# KiCad board JL-rev1.kicad_pcb (continued)
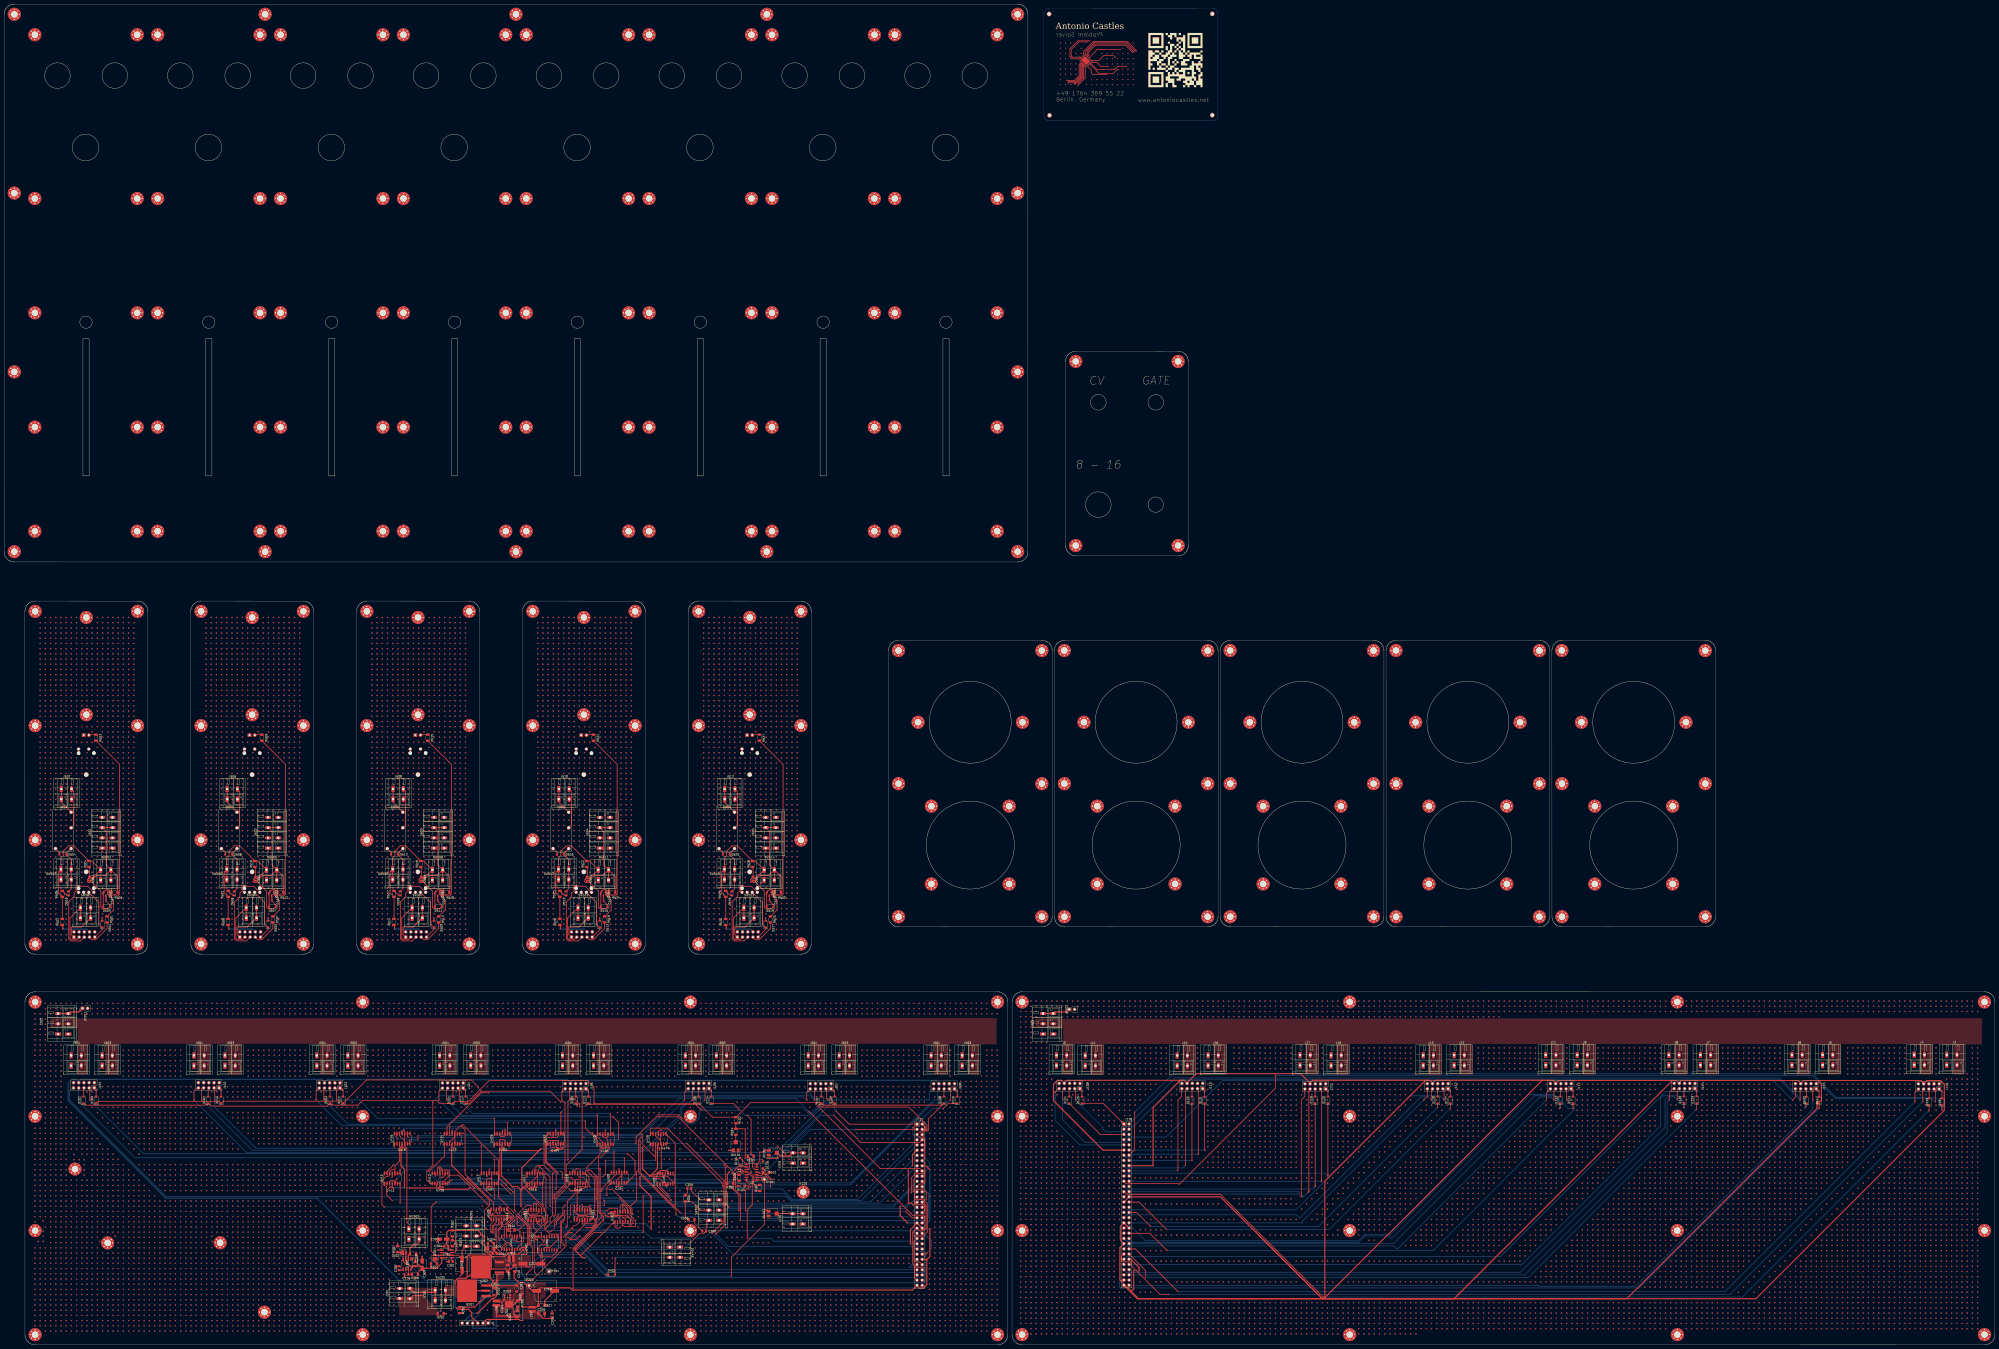
[diagram p0: board, top side]
## Routing (per net, layer and track width the routed paths; a pad name or vN(x,y) marks a point on that pad's centre or on a via; arc(x,y) is an arc through that point) (continued)
v2(78.59,47.44) v2(78.59,44.9) v2(78.59,42.36) v2(78.59,39.82) v2(78.59,37.28) v2(78.59,34.74) v2(78.59,32.2) v2(78.59,29.66) v2(78.59,27.12) v2(78.59,24.58) v2(78.59,22.04) v2(78.59,19.5) v2(78.59,16.96) v2(78.59,14.42) v2(78.59,11.88) v2(78.59,9.34) v2(78.59,6.8) v2(81.13,166.82) v2(81.13,164.28) v2(81.13,161.74) v2(81.13,143.96) v2(81.13,141.42) v2(81.13,138.88) v2(81.13,136.34) v2(81.13,133.8) v2(81.13,131.26) v2(81.13,126.18) v2(81.13,123.64) v2(81.13,121.1) v2(81.13,116.02) v2(81.13,113.48) v2(81.13,110.94) v2(81.13,108.4) v2(81.13,105.86) v2(81.13,103.32) v2(81.13,100.78) v2(81.13,98.24) v2(81.13,95.7) v2(81.13,88.08) v2(81.13,85.54) v2(81.13,83) v2(81.13,80.46) v2(81.13,77.92) v2(81.13,75.38) v2(81.13,70.3) v2(81.13,67.76) v2(81.13,65.22) v2(81.13,62.68) v2(81.13,60.14) v2(81.13,57.6) v2(81.13,55.06) v2(81.13,52.52) v2(81.13,49.98) v2(81.13,47.44) v2(81.13,44.9) v2(81.13,42.36) v2(81.13,39.82) v2(81.13,37.28) v2(81.13,34.74) v2(81.13,32.2) v2(81.13,29.66) v2(81.13,27.12) v2(81.13,24.58) v2(81.13,22.04) v2(81.13,19.5) v2(81.13,16.96) v2(81.13,14.42) v2(81.13,11.88) v2(81.13,9.34) v2(81.13,6.8) v2(83.67,166.82) v2(83.67,164.28) v2(83.67,161.74) v2(83.67,143.96) v2(83.67,141.42) v2(83.67,138.88) v2(83.67,136.34) v2(83.67,133.8) v2(83.67,131.26) v2(83.67,126.18) v2(83.67,123.64) v2(83.67,121.1) v2(83.67,116.02) v2(83.67,113.48) v2(83.67,110.94) v2(83.67,108.4) v2(83.67,105.86) v2(83.67,103.32) v2(83.67,100.78) v2(83.67,98.24) v2(83.67,95.7) v2(83.67,88.08) v2(83.67,85.54) v2(83.67,83) v2(83.67,80.46) v2(83.67,77.92) v2(83.67,75.38) v2(83.67,70.3) v2(83.67,67.76) v2(83.67,65.22) v2(83.67,62.68) v2(83.67,60.14) v2(83.67,57.6) v2(83.67,55.06) v2(83.67,52.52) v2(83.67,49.98) v2(83.67,47.44) v2(83.67,44.9) v2(83.67,42.36) v2(83.67,39.82) v2(83.67,37.28) v2(83.67,34.74) v2(83.67,32.2) v2(83.67,29.66) v2(83.67,27.12) v2(83.67,24.58) v2(83.67,22.04) v2(83.67,19.5) v2(83.67,16.96) v2(83.67,14.42) v2(83.67,11.88) v2(83.67,9.34) v2(83.67,6.8) v2(86.21,166.82) v2(86.21,164.28) v2(86.21,161.74) v2(86.21,143.96) v2(86.21,141.42) v2(86.21,138.88) v2(86.21,136.34) v2(86.21,133.8) v2(86.21,131.26) v2(86.21,126.18) v2(86.21,123.64) v2(86.21,121.1) v2(86.21,116.02) v2(86.21,113.48) v2(86.21,110.94) v2(86.21,108.4) v2(86.21,105.86) v2(86.21,103.32) v2(86.21,100.78) v2(86.21,98.24) v2(86.21,95.7) v2(86.21,88.08) v2(86.21,85.54) v2(86.21,83) v2(86.21,80.46) v2(86.21,77.92) v2(86.21,75.38) v2(86.21,70.3) v2(86.21,67.76) v2(86.21,65.22) v2(86.21,62.68) v2(86.21,60.14) v2(86.21,57.6) v2(86.21,55.06) v2(86.21,52.52) v2(86.21,49.98) v2(86.21,47.44) v2(86.21,44.9) v2(86.21,42.36) v2(86.21,39.82) v2(86.21,37.28) v2(86.21,34.74) v2(86.21,32.2) v2(86.21,29.66) v2(86.21,27.12) v2(86.21,24.58) v2(86.21,22.04) v2(86.21,19.5) v2(86.21,16.96) v2(86.21,14.42) v2(86.21,11.88) v2(86.21,9.34) v2(86.21,6.8) v2(88.75,166.82) v2(88.75,164.28) v2(88.75,161.74) v2(88.75,126.18) v2(88.75,123.64) v2(88.75,121.1) v2(88.75,116.02) v2(88.75,113.48) v2(88.75,110.94) v2(88.75,108.4) v2(88.75,105.86) v2(88.75,103.32) v2(88.75,100.78) v2(88.75,98.24) v2(88.75,95.7) v2(88.75,88.08) v2(88.75,85.54) v2(88.75,83) v2(88.75,80.46) v2(88.75,77.92) v2(88.75,75.38) v2(88.75,70.3) v2(88.75,67.76) v2(88.75,65.22) v2(88.75,62.68) v2(88.75,60.14) v2(88.75,57.6) v2(88.75,55.06) v2(88.75,52.52) v2(88.75,49.98) v2(88.75,47.44) v2(88.75,44.9) v2(88.75,42.36) v2(88.75,39.82) v2(88.75,37.28) v2(88.75,34.74) v2(88.75,32.2) v2(88.75,29.66) v2(88.75,27.12) v2(88.75,24.58) v2(88.75,22.04) v2(88.75,19.5) v2(88.75,16.96) v2(88.75,14.42) v2(88.75,11.88) v2(88.75,9.34) v2(88.75,6.8) v2(91.29,166.82) v2(91.29,164.28) v2(91.29,161.74) v2(91.29,126.18) v2(91.29,123.64) v2(91.29,116.02) v2(91.29,113.48) v2(91.29,110.94) v2(91.29,108.4) v2(91.29,105.86) v2(91.29,103.32) v2(91.29,100.78) v2(91.29,98.24) v2(91.29,95.7) v2(91.29,88.08) v2(91.29,85.54) v2(91.29,83) v2(91.29,80.46) v2(91.29,77.92) v2(91.29,75.38) v2(91.29,70.3) v2(91.29,67.76) v2(91.29,65.22) v2(91.29,62.68) v2(91.29,60.14) v2(91.29,57.6) v2(91.29,55.06) v2(91.29,52.52) v2(91.29,49.98) v2(91.29,47.44) v2(91.29,44.9) v2(91.29,42.36) v2(91.29,39.82) v2(91.29,37.28) v2(91.29,34.74) v2(91.29,32.2) v2(91.29,29.66) v2(91.29,27.12) v2(91.29,24.58) v2(91.29,22.04) v2(91.29,19.5) v2(91.29,16.96) v2(91.29,14.42) v2(91.29,11.88) v2(91.29,9.34) v2(91.29,6.8) v2(93.83,166.82) v2(93.83,164.28) v2(93.83,161.74) v2(93.83,116.02) v2(93.83,113.48) v2(93.83,110.94) v2(93.83,108.4) v2(93.83,105.86) v2(93.83,103.32) v2(93.83,100.78) v2(93.83,98.24) v2(93.83,95.7) v2(93.83,88.08) v2(93.83,85.54) v2(93.83,83) v2(93.83,80.46) v2(93.83,77.92) v2(93.83,75.38) v2(93.83,70.3) v2(93.83,67.76) v2(93.83,65.22) v2(93.83,62.68) v2(93.83,60.14) v2(93.83,57.6) v2(93.83,55.06) v2(93.83,52.52) v2(93.83,49.98) v2(93.83,47.44) v2(93.83,44.9) v2(93.83,42.36) v2(93.83,39.82) v2(93.83,37.28) v2(93.83,34.74) v2(93.83,32.2) v2(93.83,29.66) v2(93.83,27.12) v2(93.83,24.58) v2(93.83,22.04) v2(93.83,19.5) v2(93.83,16.96) v2(93.83,14.42) v2(93.83,11.88) v2(93.83,9.34) v2(93.83,6.8) v2(96.37,166.82) v2(96.37,164.28) v2(96.37,161.74) v2(96.37,113.48) v2(96.37,110.94) v2(96.37,108.4) v2(96.37,105.86) v2(96.37,103.32) v2(96.37,100.78) v2(96.37,98.24) v2(96.37,95.7) v2(96.37,88.08) v2(96.37,85.54) v2(96.37,83) v2(96.37,80.46) v2(96.37,77.92) v2(96.37,75.38) v2(96.37,70.3) v2(96.37,67.76) v2(96.37,65.22) v2(96.37,62.68) v2(96.37,60.14) v2(96.37,57.6) v2(96.37,55.06) v2(96.37,52.52) v2(96.37,49.98) v2(96.37,47.44) v2(96.37,44.9) v2(96.37,42.36) v2(96.37,39.82) v2(96.37,37.28) v2(96.37,34.74) v2(96.37,32.2) v2(96.37,29.66) v2(96.37,27.12) v2(96.37,24.58) v2(96.37,22.04) v2(96.37,19.5) v2(96.37,16.96) v2(96.37,14.42) v2(96.37,11.88) v2(96.37,9.34) v2(96.37,6.8) v2(98.91,166.82) v2(98.91,164.28) v2(98.91,161.74) v2(98.91,110.94) v2(98.91,108.4) v2(98.91,105.86) v2(98.91,103.32) v2(98.91,100.78) v2(98.91,98.24) v2(98.91,95.7) v2(98.91,88.08) v2(98.91,85.54) v2(98.91,83) v2(98.91,80.46) v2(98.91,77.92) v2(98.91,75.38) v2(98.91,70.3) v2(98.91,67.76) v2(98.91,65.22) v2(98.91,62.68) v2(98.91,60.14) v2(98.91,57.6) v2(98.91,55.06) v2(98.91,52.52) v2(98.91,49.98) v2(98.91,47.44) v2(98.91,44.9) v2(98.91,42.36) v2(98.91,39.82) v2(98.91,37.28) v2(98.91,34.74) v2(98.91,32.2) v2(98.91,29.66) v2(98.91,27.12) v2(98.91,24.58) v2(98.91,22.04) v2(98.91,19.5) v2(98.91,16.96) v2(98.91,14.42) v2(98.91,11.88) v2(98.91,9.34) v2(98.91,6.8) v2(101.45,166.82) v2(101.45,164.28) v2(101.45,161.74) v2(101.45,123.64) v2(101.45,108.4) v2(101.45,105.86) v2(101.45,103.32) v2(101.45,100.78) v2(101.45,98.24) v2(101.45,95.7) v2(101.45,88.08) v2(101.45,85.54) v2(101.45,83) v2(101.45,80.46) v2(101.45,77.92) v2(101.45,75.38) v2(101.45,70.3) v2(101.45,67.76) v2(101.45,65.22) v2(101.45,62.68) v2(101.45,60.14) v2(101.45,57.6) v2(101.45,55.06) v2(101.45,47.44) v2(101.45,44.9) v2(101.45,42.36) v2(101.45,39.82) v2(101.45,37.28) v2(101.45,34.74) v2(101.45,32.2) v2(101.45,29.66) v2(101.45,27.12) v2(101.45,24.58) v2(101.45,22.04) v2(101.45,19.5) v2(101.45,16.96) v2(101.45,14.42) v2(101.45,11.88) v2(101.45,9.34) v2(101.45,6.8) v2(103.99,166.82) v2(103.99,164.28) v2(103.99,161.74) v2(103.99,123.64) v2(103.99,105.86) v2(103.99,103.32) v2(103.99,100.78) v2(103.99,98.24) v2(103.99,95.7) v2(103.99,88.08) v2(103.99,85.54) v2(103.99,83) v2(103.99,80.46) v2(103.99,77.92) v2(103.99,75.38) v2(103.99,70.3) v2(103.99,67.76) v2(103.99,65.22) v2(103.99,62.68) v2(103.99,60.14) v2(103.99,57.6) v2(103.99,55.06) v2(103.99,44.9) v2(103.99,42.36) v2(103.99,39.82) v2(103.99,37.28) v2(103.99,34.74) v2(103.99,32.2) v2(103.99,29.66) v2(103.99,27.12) v2(103.99,24.58) v2(103.99,22.04) v2(103.99,19.5) v2(103.99,16.96) v2(103.99,14.42) v2(103.99,11.88) v2(103.99,9.34) v2(103.99,6.8) v2(106.53,166.82) v2(106.53,164.28) v2(106.53,161.74) v2(106.53,103.32) v2(106.53,100.78) v2(106.53,98.24) v2(106.53,95.7) v2(106.53,88.08) v2(106.53,85.54) v2(106.53,83) v2(106.53,80.46) v2(106.53,77.92) v2(106.53,75.38) v2(106.53,70.3) v2(106.53,67.76) v2(106.53,65.22) v2(106.53,62.68) v2(106.53,60.14) v2(106.53,57.6) v2(106.53,55.06) v2(106.53,44.9) v2(106.53,42.36) v2(106.53,39.82) v2(106.53,37.28) v2(106.53,34.74) v2(106.53,32.2) v2(106.53,29.66) v2(106.53,27.12) v2(106.53,24.58) v2(106.53,22.04) v2(106.53,19.5) v2(106.53,16.96) v2(106.53,14.42) v2(106.53,11.88) v2(106.53,9.34) v2(106.53,6.8) v2(109.07,166.82) v2(109.07,164.28) v2(109.07,161.74) v2(109.07,126.18) v2(109.07,123.64) v2(109.07,121.1) v2(109.07,113.48) v2(109.07,100.78) v2(109.07,98.24) v2(109.07,95.7) v2(109.07,88.08) v2(109.07,85.54) v2(109.07,83) v2(109.07,80.46) v2(109.07,77.92) v2(109.07,75.38) v2(109.07,70.3) v2(109.07,67.76) v2(109.07,65.22) v2(109.07,62.68) v2(109.07,60.14) v2(109.07,57.6) v2(109.07,55.06) v2(109.07,44.9) v2(109.07,42.36) v2(109.07,39.82) v2(109.07,37.28) v2(109.07,34.74) v2(109.07,32.2) v2(109.07,29.66) v2(109.07,27.12) v2(109.07,24.58) v2(109.07,22.04) v2(109.07,19.5) v2(109.07,16.96) v2(109.07,14.42) v2(109.07,11.88) v2(109.07,9.34) v2(109.07,6.8) v2(111.61,166.82) v2(111.61,164.28) v2(111.61,161.74) v2(111.61,126.18) v2(111.61,123.64) v2(111.61,121.1) v2(111.61,113.48) v2(111.61,110.94) v2(111.61,98.24) v2(111.61,95.7) v2(111.61,88.08) v2(111.61,85.54) v2(111.61,83) v2(111.61,80.46) v2(111.61,77.92) v2(111.61,75.38) v2(111.61,70.3) v2(111.61,67.76) v2(111.61,65.22) v2(111.61,62.68) v2(111.61,60.14) v2(111.61,57.6) v2(111.61,55.06) v2(111.61,52.52) v2(111.61,49.98) v2(111.61,47.44) v2(111.61,44.9) v2(111.61,42.36) v2(111.61,39.82) v2(111.61,37.28) v2(111.61,34.74) v2(111.61,32.2) v2(111.61,29.66) v2(111.61,27.12) v2(111.61,24.58) v2(111.61,22.04) v2(111.61,19.5) v2(111.61,16.96) v2(111.61,14.42) v2(111.61,11.88) v2(111.61,9.34) v2(111.61,6.8) v2(114.15,166.82) v2(114.15,164.28) v2(114.15,161.74) v2(114.15,126.18) v2(114.15,123.64) v2(114.15,121.1) v2(114.15,113.48) v2(114.15,110.94) v2(114.15,108.4) v2(114.15,95.7) v2(114.15,88.08) v2(114.15,85.54) v2(114.15,83) v2(114.15,80.46) v2(114.15,77.92) v2(114.15,75.38) v2(114.15,70.3) v2(114.15,67.76) v2(114.15,65.22) v2(114.15,62.68) v2(114.15,60.14) v2(114.15,57.6) v2(114.15,55.06) v2(114.15,52.52) v2(114.15,49.98) v2(114.15,47.44) v2(114.15,44.9) v2(114.15,42.36) v2(114.15,39.82) v2(114.15,37.28) v2(114.15,34.74) v2(114.15,32.2) v2(114.15,29.66) v2(114.15,27.12) v2(114.15,24.58) v2(114.15,22.04) v2(114.15,19.5) v2(114.15,16.96) v2(114.15,14.42) v2(114.15,11.88) v2(114.15,9.34) v2(114.15,6.8) v2(116.69,166.82) v2(116.69,164.28) v2(116.69,161.74) v2(116.69,126.18) v2(116.69,123.64) v2(116.69,121.1) v2(116.69,113.48) v2(116.69,110.94) v2(116.69,108.4) v2(116.69,105.86) v2(116.69,88.08) v2(116.69,85.54) v2(116.69,83) v2(116.69,80.46) v2(116.69,77.92) v2(116.69,75.38) v2(116.69,70.3) v2(116.69,67.76) v2(116.69,65.22) v2(116.69,62.68) v2(116.69,60.14) v2(116.69,57.6) v2(116.69,55.06) v2(116.69,52.52) v2(116.69,49.98) v2(116.69,47.44) v2(116.69,44.9) v2(116.69,42.36) v2(116.69,39.82) v2(116.69,37.28) v2(116.69,34.74) v2(116.69,32.2) v2(116.69,29.66) v2(116.69,27.12) v2(116.69,24.58) v2(116.69,22.04) v2(116.69,19.5) v2(116.69,16.96) v2(116.69,14.42) v2(116.69,11.88) v2(116.69,9.34) v2(116.69,6.8) v2(119.23,166.82) v2(119.23,164.28) v2(119.23,161.74) v2(119.23,143.96) v2(119.23,141.42) v2(119.23,138.88) v2(119.23,136.34) v2(119.23,133.8) v2(119.23,131.26) v2(119.23,126.18) v2(119.23,123.64) v2(119.23,121.1) v2(119.23,113.48) v2(119.23,110.94) v2(119.23,108.4) v2(119.23,105.86) v2(119.23,103.32) v2(119.23,88.08) v2(119.23,85.54) v2(119.23,83) v2(119.23,80.46) v2(119.23,77.92) v2(119.23,75.38) v2(119.23,70.3) v2(119.23,67.76) v2(119.23,65.22) v2(119.23,62.68) v2(119.23,60.14) v2(119.23,57.6) v2(119.23,55.06) v2(119.23,52.52) v2(119.23,49.98) v2(119.23,47.44) v2(119.23,44.9) v2(119.23,42.36) v2(119.23,39.82) v2(119.23,37.28) v2(119.23,34.74) v2(119.23,32.2) v2(119.23,29.66) v2(119.23,27.12) v2(119.23,24.58) v2(119.23,22.04) v2(119.23,19.5) v2(119.23,16.96) v2(119.23,14.42) v2(119.23,11.88) v2(119.23,9.34) v2(119.23,6.8) v2(121.77,166.82) v2(121.77,164.28) v2(121.77,161.74) v2(121.77,143.96) v2(121.77,141.42) v2(121.77,138.88) v2(121.77,136.34) v2(121.77,133.8) v2(121.77,131.26) v2(121.77,126.18) v2(121.77,123.64) v2(121.77,121.1) v2(121.77,113.48) v2(121.77,110.94) v2(121.77,108.4) v2(121.77,105.86) v2(121.77,103.32) v2(121.77,100.78) v2(121.77,88.08) v2(121.77,85.54) v2(121.77,83) v2(121.77,80.46) v2(121.77,77.92) v2(121.77,75.38) v2(121.77,70.3) v2(121.77,67.76) v2(121.77,65.22) v2(121.77,62.68) v2(121.77,60.14) v2(121.77,57.6) v2(121.77,55.06) v2(121.77,52.52) v2(121.77,49.98) v2(121.77,47.44) v2(121.77,44.9) v2(121.77,42.36) v2(121.77,39.82) v2(121.77,37.28) v2(121.77,34.74) v2(121.77,32.2) v2(121.77,29.66) v2(121.77,27.12) v2(121.77,24.58) v2(121.77,22.04) v2(121.77,19.5) v2(121.77,16.96) v2(121.77,14.42) v2(121.77,11.88) v2(121.77,9.34) v2(121.77,6.8) v2(124.31,166.82) v2(124.31,164.28) v2(124.31,161.74) v2(124.31,143.96) v2(124.31,141.42) v2(124.31,138.88) v2(124.31,136.34) v2(124.31,133.8) v2(124.31,131.26) v2(124.31,126.18) v2(124.31,123.64) v2(124.31,121.1) v2(124.31,113.48) v2(124.31,110.94) v2(124.31,108.4) v2(124.31,105.86) v2(124.31,103.32) v2(124.31,100.78) v2(124.31,98.24) v2(124.31,88.08) v2(124.31,85.54) v2(124.31,83) v2(124.31,80.46) v2(124.31,77.92) v2(124.31,75.38) v2(124.31,70.3) v2(124.31,67.76) v2(124.31,65.22) v2(124.31,62.68) v2(124.31,60.14) v2(124.31,57.6) v2(124.31,55.06) v2(124.31,52.52) v2(124.31,49.98) v2(124.31,47.44) v2(124.31,44.9) v2(124.31,42.36) v2(124.31,39.82) v2(124.31,37.28) v2(124.31,34.74) v2(124.31,32.2) v2(124.31,29.66) v2(124.31,27.12) v2(124.31,24.58) v2(124.31,22.04) v2(124.31,19.5) v2(124.31,11.88) v2(124.31,9.34) v2(124.31,6.8) v2(126.85,166.82) v2(126.85,164.28) v2(126.85,161.74) v2(126.85,143.96) v2(126.85,141.42) v2(126.85,138.88) v2(126.85,136.34) v2(126.85,133.8) v2(126.85,131.26) v2(126.85,126.18) v2(126.85,123.64) v2(126.85,121.1) v2(126.85,113.48) v2(126.85,110.94) v2(126.85,108.4) v2(126.85,105.86) v2(126.85,103.32) v2(126.85,100.78) v2(126.85,98.24) v2(126.85,88.08) v2(126.85,85.54) v2(126.85,83) v2(126.85,80.46) v2(126.85,77.92) v2(126.85,75.38) v2(126.85,70.3) v2(126.85,67.76) v2(126.85,65.22) v2(126.85,62.68) v2(126.85,60.14) v2(126.85,57.6) v2(126.85,55.06) v2(126.85,52.52) v2(126.85,49.98) v2(126.85,47.44) v2(126.85,44.9) v2(126.85,42.36) v2(126.85,39.82) v2(126.85,37.28) v2(126.85,34.74) v2(126.85,32.2) v2(126.85,29.66) v2(126.85,27.12) v2(126.85,24.58) v2(126.85,22.04) v2(126.85,11.88) v2(126.85,9.34) v2(126.85,6.8) v2(129.39,166.82) v2(129.39,164.28) v2(129.39,161.74) v2(129.39,143.96) v2(129.39,141.42) v2(129.39,138.88) v2(129.39,136.34) v2(129.39,133.8) v2(129.39,131.26) v2(129.39,126.18) v2(129.39,123.64) v2(129.39,121.1) v2(129.39,113.48) v2(129.39,110.94) v2(129.39,108.4) v2(129.39,105.86) v2(129.39,103.32) v2(129.39,100.78) v2(129.39,98.24) v2(129.39,88.08) v2(129.39,85.54) v2(129.39,83) v2(129.39,80.46) v2(129.39,77.92) v2(129.39,75.38) v2(129.39,70.3) v2(129.39,67.76) v2(129.39,65.22) v2(129.39,62.68) v2(129.39,60.14) v2(129.39,57.6) v2(129.39,55.06) v2(129.39,52.52) v2(129.39,49.98) v2(129.39,47.44) v2(129.39,44.9) v2(129.39,42.36) v2(129.39,39.82) v2(129.39,37.28) v2(129.39,34.74) v2(129.39,32.2) v2(129.39,29.66) v2(129.39,27.12) v2(129.39,24.58) v2(129.39,22.04) v2(129.39,11.88) v2(129.39,9.34) v2(129.39,6.8) v2(131.93,166.82) v2(131.93,164.28) v2(131.93,161.74) v2(131.93,143.96) v2(131.93,141.42) v2(131.93,138.88) v2(131.93,136.34) v2(131.93,133.8) v2(131.93,131.26) v2(131.93,126.18) v2(131.93,123.64) v2(131.93,121.1) v2(131.93,113.48) v2(131.93,110.94) v2(131.93,108.4) v2(131.93,105.86) v2(131.93,103.32) v2(131.93,100.78) v2(131.93,98.24) v2(131.93,88.08) v2(131.93,85.54) v2(131.93,83) v2(131.93,80.46) v2(131.93,77.92) v2(131.93,75.38) v2(131.93,70.3) v2(131.93,67.76) v2(131.93,65.22) v2(131.93,62.68) v2(131.93,60.14) v2(131.93,57.6) v2(131.93,55.06) v2(131.93,52.52) v2(131.93,49.98) v2(131.93,47.44) v2(131.93,44.9) v2(131.93,42.36) v2(131.93,39.82) v2(131.93,37.28) v2(131.93,34.74) v2(131.93,32.2) v2(131.93,29.66) v2(131.93,27.12) v2(131.93,24.58) v2(131.93,22.04) v2(131.93,19.5) v2(131.93,16.96) v2(131.93,14.42) v2(131.93,11.88) v2(131.93,9.34) v2(131.93,6.8) v2(134.47,166.82) v2(134.47,164.28) v2(134.47,161.74) v2(134.47,143.96) v2(134.47,141.42) v2(134.47,138.88) v2(134.47,136.34) v2(134.47,133.8) v2(134.47,131.26) v2(134.47,126.18) v2(134.47,123.64) v2(134.47,121.1) v2(134.47,113.48) v2(134.47,110.94) v2(134.47,108.4) v2(134.47,105.86) v2(134.47,103.32) v2(134.47,100.78) v2(134.47,98.24) v2(134.47,88.08) v2(134.47,85.54) v2(134.47,83) v2(134.47,80.46) v2(134.47,77.92) v2(134.47,75.38) v2(134.47,70.3) v2(134.47,67.76) v2(134.47,65.22) v2(134.47,62.68) v2(134.47,60.14) v2(134.47,57.6) v2(134.47,55.06) v2(134.47,52.52) v2(134.47,49.98) v2(134.47,47.44) v2(134.47,44.9) v2(134.47,42.36) v2(134.47,39.82) v2(134.47,37.28) v2(134.47,34.74) v2(134.47,32.2) v2(134.47,29.66) v2(134.47,27.12) v2(134.47,24.58) v2(134.47,22.04) v2(134.47,19.5) v2(134.47,16.96) v2(134.47,14.42) v2(134.47,11.88) v2(134.47,9.34) v2(134.47,6.8) v2(137.01,166.82) v2(137.01,164.28) v2(137.01,161.74) v2(137.01,143.96) v2(137.01,141.42) v2(137.01,138.88) v2(137.01,136.34) v2(137.01,133.8) v2(137.01,131.26) v2(137.01,126.18) v2(137.01,123.64) v2(137.01,121.1) v2(137.01,113.48) v2(137.01,110.94) v2(137.01,108.4) v2(137.01,105.86) v2(137.01,103.32) v2(137.01,100.78) v2(137.01,98.24) v2(137.01,88.08) v2(137.01,85.54) v2(137.01,83) v2(137.01,80.46) v2(137.01,77.92) v2(137.01,75.38) v2(137.01,70.3) v2(137.01,67.76) v2(137.01,65.22) v2(137.01,62.68) v2(137.01,60.14) v2(137.01,57.6) v2(137.01,55.06) v2(137.01,52.52) v2(137.01,49.98) v2(137.01,47.44) v2(137.01,44.9) v2(137.01,42.36) v2(137.01,39.82) v2(137.01,37.28) v2(137.01,34.74) v2(137.01,32.2) v2(137.01,29.66) v2(137.01,27.12) v2(137.01,24.58) v2(137.01,22.04) v2(137.01,19.5) v2(137.01,16.96) v2(137.01,14.42) v2(137.01,11.88) v2(137.01,9.34) v2(137.01,6.8) v2(139.55,166.82) v2(139.55,164.28) v2(139.55,161.74) v2(139.55,143.96) v2(139.55,141.42) v2(139.55,138.88) v2(139.55,136.34) v2(139.55,133.8) v2(139.55,131.26) v2(139.55,126.18) v2(139.55,123.64) v2(139.55,121.1) v2(139.55,113.48) v2(139.55,110.94) v2(139.55,108.4) v2(139.55,105.86) v2(139.55,103.32) v2(139.55,100.78) v2(139.55,98.24) v2(139.55,88.08) v2(139.55,85.54) v2(139.55,83) v2(139.55,80.46) v2(139.55,77.92) v2(139.55,75.38) v2(139.55,70.3) v2(139.55,67.76) v2(139.55,65.22) v2(139.55,62.68) v2(139.55,60.14) v2(139.55,57.6) v2(139.55,55.06) v2(139.55,52.52) v2(139.55,49.98) v2(139.55,47.44) v2(139.55,44.9) v2(139.55,42.36) v2(139.55,39.82) v2(139.55,37.28) v2(139.55,34.74) v2(139.55,32.2) v2(139.55,29.66) v2(139.55,27.12) v2(139.55,24.58) v2(139.55,22.04) v2(139.55,19.5) v2(139.55,16.96) v2(139.55,14.42) v2(139.55,11.88) v2(139.55,9.34) v2(139.55,6.8) v2(142.09,166.82) v2(142.09,164.28) v2(142.09,161.74) v2(142.09,143.96) v2(142.09,141.42) v2(142.09,138.88) v2(142.09,136.34) v2(142.09,133.8) v2(142.09,131.26) v2(142.09,126.18) v2(142.09,123.64) v2(142.09,121.1) v2(142.09,113.48) v2(142.09,110.94) v2(142.09,108.4) v2(142.09,105.86) v2(142.09,103.32) v2(142.09,100.78) v2(142.09,98.24) v2(142.09,88.08) v2(142.09,85.54) v2(142.09,83) v2(142.09,80.46) v2(142.09,77.92) v2(142.09,75.38) v2(142.09,70.3) v2(142.09,67.76) v2(142.09,65.22) v2(142.09,62.68) v2(142.09,60.14) v2(142.09,57.6) v2(142.09,55.06) v2(142.09,52.52) v2(142.09,49.98) v2(142.09,47.44) v2(142.09,44.9) v2(142.09,42.36) v2(142.09,39.82) v2(142.09,37.28) v2(142.09,34.74) v2(142.09,32.2) v2(142.09,29.66) v2(142.09,27.12) v2(142.09,24.58) v2(142.09,22.04) v2(142.09,19.5) v2(142.09,16.96) v2(142.09,14.42) v2(142.09,11.88) v2(142.09,9.34) v2(142.09,6.8) v2(144.63,166.82) v2(144.63,164.28) v2(144.63,161.74) v2(144.63,143.96) v2(144.63,141.42) v2(144.63,138.88) v2(144.63,136.34) v2(144.63,133.8) v2(144.63,131.26) v2(144.63,126.18) v2(144.63,123.64) v2(144.63,121.1) v2(144.63,113.48) v2(144.63,110.94) v2(144.63,108.4) v2(144.63,105.86) v2(144.63,103.32) v2(144.63,100.78) v2(144.63,98.24) v2(144.63,88.08) v2(144.63,85.54) v2(144.63,83) v2(144.63,80.46) 